# EAGLE board RedBoard-Panel (EAGLE 9.6.2), part 5 of 6
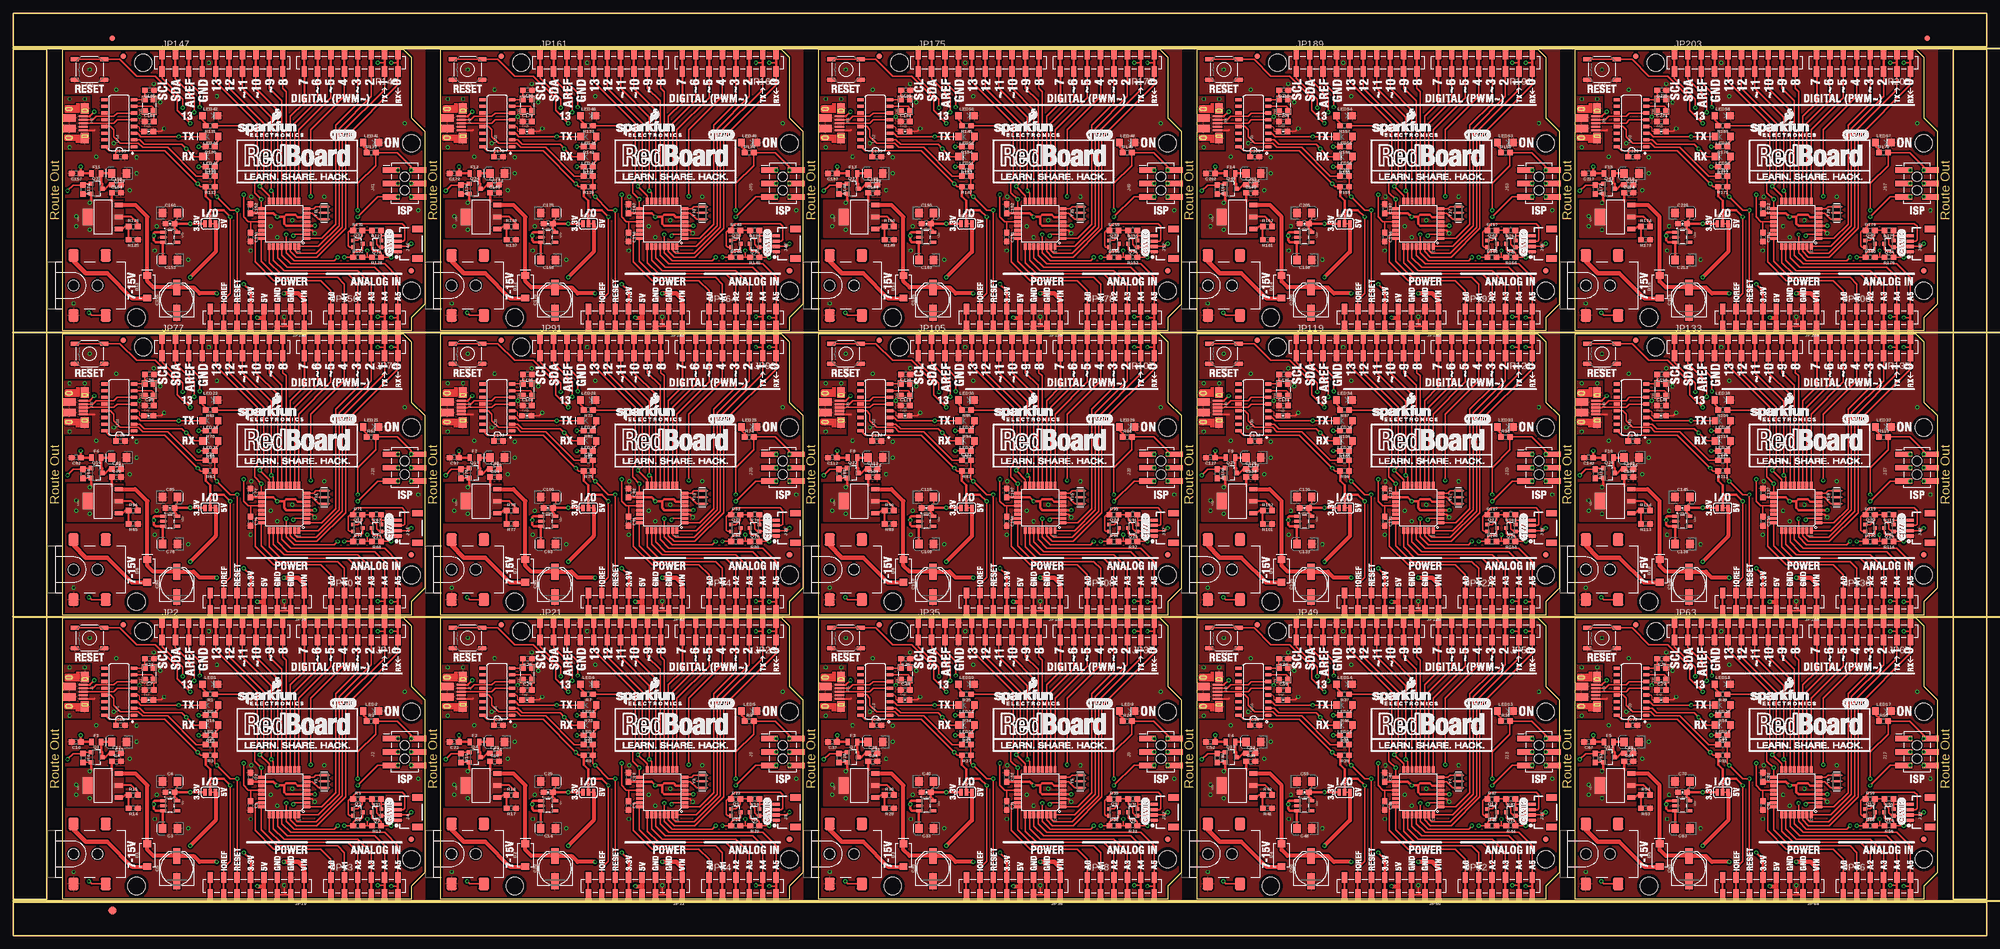
[diagram p0: board, top side]
## Tracks (layer width: path | path; a pad name or v marks a point on that pad's centre or on a via) (continued)
N$157
  Top 0.406: U45.1 92.34,133.87 92.84,134.37 R138.1 R137.2
N$158
  Top 0.305: U46.7 128.3,136.87 129.47,135.71 Y23.1
N$159
  Top 0.305: U46.8 128.53,137.67 128.96,138.11 Y23.3
N$160
  Top 0.305: R142.1 109.82,149.95 110.47,150.6 LED48.A
N$161
  Top 0.305: R141.1 109.82,146.14 110.47,146.79 LED47.A
N$162
  Top 0.254: J47.D- 86.72,154.54 87.38,155.19 90.68,155.19 91.31,155.83 U48.6
N$163
  Top 0.254: J47.D+ 86.08,153.89 86.11,153.92 90.68,153.92 91.31,154.56 U48.5
N$164
  Top 0.203: U48.4 95.3,153.29 95.53,153.06 95.53,152.48 95.66,152.35 C177.1
N$165  (via drill 0.38)
  Top 0.305: v134.37,128.52 R144.1 136.06,129.2 136.53,129.67 137.41,129.67 137.83,130.08 Q36.3
  Bottom 0.305: JP166.1 v134.37,128.52
N$166  (via drill 0.38)
  Top 0.305: Q35.3 139.57,131.03 139.57,130.05 139.95,129.67 140.97,129.67 141.35,129.29 141.35,128.56 R140.1 v143.26,128.52
  Bottom 0.305: JP165.1 v143.26,128.52
N$167
  Top 0.254: U48.8 96.43,158.38 Y24.3 96.53,160.1 C180.2
N$168
  Top 0.254: U48.7 97.92,157.1 98.17,156.84 98.17,156.24 Y24.1 98.28,154.31 C179.2
N$169
  Top 0.356: R146.1 210.22,148.93 209.57,149.58 LED49.A
N$170
  Top 0.305: R145.2 179.74,153.88 179.09,154.53 LED50.A
N$171
  Top 0.406: U49.1 163.97,133.87 164.47,134.37 R150.1 R149.2
N$172
  Top 0.305: U50.7 199.93,136.87 201.1,135.71 Y25.1
N$173
  Top 0.305: U50.8 200.16,137.67 200.59,138.11 Y25.3
N$174
  Top 0.305: R154.1 181.44,149.95 182.09,150.6 LED52.A
N$175
  Top 0.305: R153.1 181.44,146.14 182.09,146.79 LED51.A
N$176
  Top 0.254: J51.D- 158.35,154.54 159,155.19 162.31,155.19 162.94,155.83 U52.6
N$177
  Top 0.254: J51.D+ 157.7,153.89 157.73,153.92 162.31,153.92 162.94,154.56 U52.5
N$178
  Top 0.203: U52.4 166.93,153.29 167.16,153.06 167.16,152.48 167.28,152.35 C192.1
N$179  (via drill 0.38)
  Top 0.305: v205.99,128.52 R156.1 207.68,129.2 208.15,129.67 209.04,129.67 209.46,130.08 Q39.3
  Bottom 0.305: JP180.1 v205.99,128.52
N$180  (via drill 0.38)
  Top 0.305: Q38.3 211.2,131.03 211.2,130.05 211.58,129.67 212.6,129.67 212.98,129.29 212.98,128.56 R152.1 v214.88,128.52
  Bottom 0.305: JP179.1 v214.88,128.52
N$181
  Top 0.254: U52.8 168.06,158.38 Y26.3 168.16,160.1 C195.2
N$182
  Top 0.254: U52.7 169.54,157.1 169.8,156.84 169.8,156.24 Y26.1 169.91,154.31 C194.2
N$183
  Top 0.356: R158.1 281.85,148.93 281.2,149.58 LED53.A
N$184
  Top 0.305: R157.2 251.37,153.88 250.72,154.53 LED54.A
N$185
  Top 0.406: U53.1 235.6,133.87 236.09,134.37 R162.1 R161.2
N$186
  Top 0.305: U54.7 271.56,136.87 272.73,135.71 Y27.1
N$187
  Top 0.305: U54.8 271.79,137.67 272.22,138.11 Y27.3
N$188
  Top 0.305: R166.1 253.07,149.95 253.72,150.6 LED56.A
N$189
  Top 0.305: R165.1 253.07,146.14 253.72,146.79 LED55.A
N$190
  Top 0.254: J55.D- 229.98,154.54 230.63,155.19 233.93,155.19 234.57,155.83 U56.6
N$191
  Top 0.254: J55.D+ 229.33,153.89 229.36,153.92 233.93,153.92 234.57,154.56 U56.5
N$192
  Top 0.203: U56.4 238.56,153.29 238.78,153.06 238.78,152.48 238.91,152.35 C207.1
N$193  (via drill 0.38)
  Top 0.305: v277.62,128.52 R168.1 279.31,129.2 279.78,129.67 280.67,129.67 281.09,130.08 Q42.3
  Bottom 0.305: JP194.1 v277.62,128.52
N$194  (via drill 0.38)
  Top 0.305: Q41.3 282.83,131.03 282.83,130.05 283.21,129.67 284.23,129.67 284.61,129.29 284.61,128.56 R164.1 v286.51,128.52
  Bottom 0.305: JP193.1 v286.51,128.52
N$195
  Top 0.254: U56.8 239.69,158.38 Y28.3 239.79,160.1 C210.2
N$196
  Top 0.254: U56.7 241.17,157.1 241.43,156.84 241.43,156.24 Y28.1 241.54,154.31 C209.2
N$197
  Top 0.356: R170.1 353.48,148.93 352.83,149.58 LED57.A
N$198
  Top 0.305: R169.2 323,153.88 322.35,154.53 LED58.A
N$199
  Top 0.406: U57.1 307.23,133.87 307.72,134.37 R174.1 R173.2
N$200
  Top 0.305: U58.7 343.19,136.87 344.35,135.71 Y29.1
N$201
  Top 0.305: U58.8 343.41,137.67 343.85,138.11 Y29.3
N$202
  Top 0.305: R178.1 324.7,149.95 325.35,150.6 LED60.A
N$203
  Top 0.305: R177.1 324.7,146.14 325.35,146.79 LED59.A
N$204
  Top 0.254: J59.D- 301.61,154.54 302.26,155.19 305.56,155.19 306.2,155.83 U60.6
N$205
  Top 0.254: J59.D+ 300.96,153.89 300.99,153.92 305.56,153.92 306.2,154.56 U60.5
N$206
  Top 0.203: U60.4 310.19,153.29 310.41,153.06 310.41,152.48 310.54,152.35 C222.1
N$207  (via drill 0.38)
  Top 0.305: v349.25,128.52 R180.1 350.94,129.2 351.41,129.67 352.3,129.67 352.72,130.08 Q45.3
  Bottom 0.305: JP208.1 v349.25,128.52
N$208  (via drill 0.38)
  Top 0.305: Q44.3 354.46,131.03 354.46,130.05 354.84,129.67 355.85,129.67 356.24,129.29 356.24,128.56 R176.1 v358.14,128.52
  Bottom 0.305: JP207.1 v358.14,128.52
N$209
  Top 0.254: U60.8 311.32,158.38 Y30.3 311.42,160.1 C225.2
N$210
  Top 0.254: U60.7 312.8,157.1 313.06,156.84 313.06,156.24 Y30.1 313.17,154.31 C224.2
PWRIN
  Top 0.762: 17.78,17.78 22.47,13.09 D1.A
  Top 0.813: 17.78,17.78 13.72,17.78 11.43,20.07 J3.VIN0
PWRIN1
  Top 0.762: 89.41,17.78 94.1,13.09 D2.A
  Top 0.813: 89.41,17.78 85.34,17.78 83.06,20.07 J6.VIN0
PWRIN2
  Top 0.762: 161.04,17.78 165.73,13.09 D3.A
  Top 0.813: 161.04,17.78 156.97,17.78 154.69,20.07 J10.VIN0
PWRIN3
  Top 0.762: 232.66,17.78 237.35,13.09 D4.A
  Top 0.813: 232.66,17.78 228.6,17.78 226.31,20.07 J14.VIN0
PWRIN4
  Top 0.762: 304.29,17.78 308.98,13.09 D5.A
  Top 0.813: 304.29,17.78 300.23,17.78 297.94,20.07 J18.VIN0
PWRIN5
  Top 0.762: 17.78,71.63 22.47,66.94 D6.A
  Top 0.813: 17.78,71.63 13.72,71.63 11.43,73.91 J22.VIN0
PWRIN6
  Top 0.762: 89.41,71.63 94.1,66.94 D7.A
  Top 0.813: 89.41,71.63 85.34,71.63 83.06,73.91 J26.VIN0
PWRIN7
  Top 0.762: 161.04,71.63 165.73,66.94 D8.A
  Top 0.813: 161.04,71.63 156.97,71.63 154.69,73.91 J30.VIN0
PWRIN8
  Top 0.762: 232.66,71.63 237.35,66.94 D9.A
  Top 0.813: 232.66,71.63 228.6,71.63 226.31,73.91 J34.VIN0
PWRIN9
  Top 0.762: 304.29,71.63 308.98,66.94 D10.A
  Top 0.813: 304.29,71.63 300.23,71.63 297.94,73.91 J38.VIN0
PWRIN10
  Top 0.762: 17.78,125.48 22.47,120.79 D11.A
  Top 0.813: 17.78,125.48 13.72,125.48 11.43,127.76 J42.VIN0
PWRIN11
  Top 0.762: 89.41,125.48 94.1,120.79 D12.A
  Top 0.813: 89.41,125.48 85.34,125.48 83.06,127.76 J46.VIN0
PWRIN12
  Top 0.762: 161.04,125.48 165.73,120.79 D13.A
  Top 0.813: 161.04,125.48 156.97,125.48 154.69,127.76 J50.VIN0
PWRIN13
  Top 0.762: 232.66,125.48 237.35,120.79 D14.A
  Top 0.813: 232.66,125.48 228.6,125.48 226.31,127.76 J54.VIN0
PWRIN14
  Top 0.762: 304.29,125.48 308.98,120.79 D15.A
  Top 0.813: 304.29,125.48 300.23,125.48 297.94,127.76 J58.VIN0
RESET  (via drill 0.38, 0.38 pad 0.51)
  Top 0.254: C8.2 R3.1 38.19,32.68 v38.61,32.26
  Top 0.305: v51.71,25.13 U4.29 51.71,21.7 53.21,20.19 60.83,20.19 v61.47,20.83 | 42.42,7.75 JP10.6 v42.42,29.72 41.15,29.72 v38.61,32.26 | TP6.P$1 J2.5 69.09,32.26 v65.28,28.45 | S1.4 S1.3 20.19,58.29 23.37,55.12 26.92,55.12 31.11,50.93 31.11,48.64 v33.53,46.23
  Bottom 0.305: v51.71,25.13 51.71,28.05 50.04,29.72 v42.42,29.72 | v38.61,32.26 38.61,41.15 v33.53,46.23 | v61.47,20.83 61.47,24.64 v65.28,28.45
  other vias: 72.9,32.26
RESET1  (via drill 0.38, 0.38 pad 0.51)
  Top 0.254: C21.2 R9.1 109.82,32.68 v110.24,32.26
  Top 0.305: v123.34,25.13 U6.29 123.34,21.7 124.84,20.19 132.46,20.19 v133.1,20.83 | 114.05,7.75 JP22.6 v114.05,29.72 112.78,29.72 v110.24,32.26 | TP12.P$1 J5.5 140.72,32.26 v136.91,28.45 | S2.4 S2.3 91.82,58.29 95,55.12 98.55,55.12 102.74,50.93 102.74,48.64 v105.16,46.23
  Bottom 0.305: v123.34,25.13 123.34,28.05 121.67,29.72 v114.05,29.72 | v110.24,32.26 110.24,41.15 v105.16,46.23 | v133.1,20.83 133.1,24.64 v136.91,28.45
  other vias: 144.53,32.26
RESET2  (via drill 0.38, 0.38 pad 0.51)
  Top 0.254: C36.2 R27.1 181.44,32.68 v181.86,32.26
  Top 0.305: v194.96,25.13 U10.29 194.96,21.7 196.47,20.19 204.09,20.19 v204.72,20.83 | 185.67,7.75 JP36.6 v185.67,29.72 184.4,29.72 v181.86,32.26 | TP18.P$1 J9.5 212.34,32.26 v208.53,28.45 | S3.4 S3.3 163.45,58.29 166.62,55.12 170.18,55.12 174.37,50.93 174.37,48.64 v176.78,46.23
  Bottom 0.305: v194.96,25.13 194.96,28.05 193.29,29.72 v185.67,29.72 | v181.86,32.26 181.86,41.15 v176.78,46.23 | v204.72,20.83 204.72,24.64 v208.53,28.45
  other vias: 216.15,32.26
RESET3  (via drill 0.38, 0.38 pad 0.51)
  Top 0.254: C51.2 R39.1 253.07,32.68 v253.49,32.26
  Top 0.305: v266.59,25.13 U14.29 266.59,21.7 268.1,20.19 275.72,20.19 v276.35,20.83 | 257.3,7.75 JP50.6 v257.3,29.72 256.03,29.72 v253.49,32.26 | TP24.P$1 J13.5 283.97,32.26 v280.16,28.45 | S4.4 S4.3 235.08,58.29 238.25,55.12 241.81,55.12 246,50.93 246,48.64 v248.41,46.23
  Bottom 0.305: v266.59,25.13 266.59,28.05 264.92,29.72 v257.3,29.72 | v253.49,32.26 253.49,41.15 v248.41,46.23 | v276.35,20.83 276.35,24.64 v280.16,28.45
  other vias: 287.78,32.26
RESET4  (via drill 0.38, 0.38 pad 0.51)
  Top 0.254: C66.2 R51.1 324.7,32.68 v325.12,32.26
  Top 0.305: v338.22,25.13 U18.29 338.22,21.7 339.73,20.19 347.35,20.19 v347.98,20.83 | 328.93,7.75 JP64.6 v328.93,29.72 327.66,29.72 v325.12,32.26 | TP30.P$1 J17.5 355.6,32.26 v351.79,28.45 | S5.4 S5.3 306.71,58.29 309.88,55.12 313.44,55.12 317.63,50.93 317.63,48.64 v320.04,46.23
  Bottom 0.305: v338.22,25.13 338.22,28.05 336.55,29.72 v328.93,29.72 | v325.12,32.26 325.12,41.15 v320.04,46.23 | v347.98,20.83 347.98,24.64 v351.79,28.45
  other vias: 359.41,32.26
RESET5  (via drill 0.38, 0.38 pad 0.51)
  Top 0.254: C81.2 R63.1 38.19,86.53 v38.61,86.11
  Top 0.305: v51.71,78.98 U22.29 51.71,75.55 53.21,74.04 60.83,74.04 v61.47,74.68 | 42.42,61.6 JP78.6 v42.42,83.57 41.15,83.57 v38.61,86.11 | TP36.P$1 J21.5 69.09,86.11 v65.28,82.3 | S6.4 S6.3 20.19,112.14 23.37,108.97 26.92,108.97 31.11,104.78 31.11,102.49 v33.53,100.08
  Bottom 0.305: v51.71,78.98 51.71,81.9 50.04,83.57 v42.42,83.57 | v38.61,86.11 38.61,95 v33.53,100.08 | v61.47,74.68 61.47,78.49 v65.28,82.3
  other vias: 72.9,86.11
RESET6  (via drill 0.38, 0.38 pad 0.51)
  Top 0.254: C96.2 R75.1 109.82,86.53 v110.24,86.11
  Top 0.305: v123.34,78.98 U26.29 123.34,75.55 124.84,74.04 132.46,74.04 v133.1,74.68 | 114.05,61.6 JP92.6 v114.05,83.57 112.78,83.57 v110.24,86.11 | TP42.P$1 J25.5 140.72,86.11 v136.91,82.3 | S7.4 S7.3 91.82,112.14 95,108.97 98.55,108.97 102.74,104.78 102.74,102.49 v105.16,100.08
  Bottom 0.305: v123.34,78.98 123.34,81.9 121.67,83.57 v114.05,83.57 | v110.24,86.11 110.24,95 v105.16,100.08 | v133.1,74.68 133.1,78.49 v136.91,82.3
  other vias: 144.53,86.11
RESET7  (via drill 0.38, 0.38 pad 0.51)
  Top 0.254: C111.2 R87.1 181.44,86.53 v181.86,86.11
  Top 0.305: v194.96,78.98 U30.29 194.96,75.55 196.47,74.04 204.09,74.04 v204.72,74.68 | 185.67,61.6 JP106.6 v185.67,83.57 184.4,83.57 v181.86,86.11 | TP48.P$1 J29.5 212.34,86.11 v208.53,82.3 | S8.4 S8.3 163.45,112.14 166.62,108.97 170.18,108.97 174.37,104.78 174.37,102.49 v176.78,100.08
  Bottom 0.305: v194.96,78.98 194.96,81.9 193.29,83.57 v185.67,83.57 | v181.86,86.11 181.86,95 v176.78,100.08 | v204.72,74.68 204.72,78.49 v208.53,82.3
  other vias: 216.15,86.11
RESET8  (via drill 0.38, 0.38 pad 0.51)
  Top 0.254: C126.2 R99.1 253.07,86.53 v253.49,86.11
  Top 0.305: v266.59,78.98 U34.29 266.59,75.55 268.1,74.04 275.72,74.04 v276.35,74.68 | 257.3,61.6 JP120.6 v257.3,83.57 256.03,83.57 v253.49,86.11 | TP54.P$1 J33.5 283.97,86.11 v280.16,82.3 | S9.4 S9.3 235.08,112.14 238.25,108.97 241.81,108.97 246,104.78 246,102.49 v248.41,100.08
  Bottom 0.305: v266.59,78.98 266.59,81.9 264.92,83.57 v257.3,83.57 | v253.49,86.11 253.49,95 v248.41,100.08 | v276.35,74.68 276.35,78.49 v280.16,82.3
  other vias: 287.78,86.11
RESET9  (via drill 0.38, 0.38 pad 0.51)
  Top 0.254: C141.2 R111.1 324.7,86.53 v325.12,86.11
  Top 0.305: v338.22,78.98 U38.29 338.22,75.55 339.73,74.04 347.35,74.04 v347.98,74.68 | 328.93,61.6 JP134.6 v328.93,83.57 327.66,83.57 v325.12,86.11 | TP60.P$1 J37.5 355.6,86.11 v351.79,82.3 | S10.4 S10.3 306.71,112.14 309.88,108.97 313.44,108.97 317.63,104.78 317.63,102.49 v320.04,100.08
  Bottom 0.305: v338.22,78.98 338.22,81.9 336.55,83.57 v328.93,83.57 | v325.12,86.11 325.12,95 v320.04,100.08 | v347.98,74.68 347.98,78.49 v351.79,82.3
  other vias: 359.41,86.11
RESET10  (via drill 0.38, 0.38 pad 0.51)
  Top 0.254: C156.2 R123.1 38.19,140.37 v38.61,139.95
  Top 0.305: v51.71,132.82 U42.29 51.71,129.39 53.21,127.89 60.83,127.89 v61.47,128.52 | 42.42,115.44 JP148.6 v42.42,137.41 41.15,137.41 v38.61,139.95 | TP66.P$1 J41.5 69.09,139.95 v65.28,136.14 | S11.4 S11.3 20.19,165.99 23.37,162.81 26.92,162.81 31.11,158.62 31.11,156.34 v33.53,153.92
  Bottom 0.305: v51.71,132.82 51.71,135.74 50.04,137.41 v42.42,137.41 | v38.61,139.95 38.61,148.84 v33.53,153.92 | v61.47,128.52 61.47,132.33 v65.28,136.14
  other vias: 72.9,139.95
RESET11  (via drill 0.38, 0.38 pad 0.51)
  Top 0.254: C171.2 R135.1 109.82,140.37 v110.24,139.95
  Top 0.305: v123.34,132.82 U46.29 123.34,129.39 124.84,127.89 132.46,127.89 v133.1,128.52 | 114.05,115.44 JP162.6 v114.05,137.41 112.78,137.41 v110.24,139.95 | TP72.P$1 J45.5 140.72,139.95 v136.91,136.14 | S12.4 S12.3 91.82,165.99 95,162.81 98.55,162.81 102.74,158.62 102.74,156.34 v105.16,153.92
  Bottom 0.305: v123.34,132.82 123.34,135.74 121.67,137.41 v114.05,137.41 | v110.24,139.95 110.24,148.84 v105.16,153.92 | v133.1,128.52 133.1,132.33 v136.91,136.14
  other vias: 144.53,139.95
RESET12  (via drill 0.38, 0.38 pad 0.51)
  Top 0.254: C186.2 R147.1 181.44,140.37 v181.86,139.95
  Top 0.305: v194.96,132.82 U50.29 194.96,129.39 196.47,127.89 204.09,127.89 v204.72,128.52 | 185.67,115.44 JP176.6 v185.67,137.41 184.4,137.41 v181.86,139.95 | TP78.P$1 J49.5 212.34,139.95 v208.53,136.14 | S13.4 S13.3 163.45,165.99 166.62,162.81 170.18,162.81 174.37,158.62 174.37,156.34 v176.78,153.92
  Bottom 0.305: v194.96,132.82 194.96,135.74 193.29,137.41 v185.67,137.41 | v181.86,139.95 181.86,148.84 v176.78,153.92 | v204.72,128.52 204.72,132.33 v208.53,136.14
  other vias: 216.15,139.95
RESET13  (via drill 0.38, 0.38 pad 0.51)
  Top 0.254: C201.2 R159.1 253.07,140.37 v253.49,139.95
  Top 0.305: v266.59,132.82 U54.29 266.59,129.39 268.1,127.89 275.72,127.89 v276.35,128.52 | 257.3,115.44 JP190.6 v257.3,137.41 256.03,137.41 v253.49,139.95 | TP84.P$1 J53.5 283.97,139.95 v280.16,136.14 | S14.4 S14.3 235.08,165.99 238.25,162.81 241.81,162.81 246,158.62 246,156.34 v248.41,153.92
  Bottom 0.305: v266.59,132.82 266.59,135.74 264.92,137.41 v257.3,137.41 | v253.49,139.95 253.49,148.84 v248.41,153.92 | v276.35,128.52 276.35,132.33 v280.16,136.14
  other vias: 287.78,139.95
RESET14  (via drill 0.38, 0.38 pad 0.51)
  Top 0.254: C216.2 R171.1 324.7,140.37 v325.12,139.95
  Top 0.305: v338.22,132.82 U58.29 338.22,129.39 339.73,127.89 347.35,127.89 v347.98,128.52 | 328.93,115.44 JP204.6 v328.93,137.41 327.66,137.41 v325.12,139.95 | TP90.P$1 J57.5 355.6,139.95 v351.79,136.14 | S15.4 S15.3 306.71,165.99 309.88,162.81 313.44,162.81 317.63,158.62 317.63,156.34 v320.04,153.92
  Bottom 0.305: v338.22,132.82 338.22,135.74 336.55,137.41 v328.93,137.41 | v325.12,139.95 325.12,148.84 v320.04,153.92 | v347.98,128.52 347.98,132.33 v351.79,136.14
  other vias: 359.41,139.95
RX-I  (via drill 0.38)
  Top 0.254: JP11.1B 72.9,56.39
  Top 0.305: U4.30 52.51,21.91 53.59,20.83 57.53,20.83 62.99,26.29 62.99,43.56 72.9,53.47 JP11.1A 72.9,56.39 72.9,57.66 v71.63,57.66 | LED3.C 34.29,39.88 v32.77,41.4 31.98,42.19 24.84,42.19 23.98,43.05 U1.2
  Bottom 0.305: v71.63,57.66 69.09,55.12 33.53,55.12 30.99,52.58 30.99,46.86 32.77,45.08 v32.77,41.4
RX-I1  (via drill 0.38)
  Top 0.254: JP23.1B 144.53,56.39
  Top 0.305: U6.30 124.14,21.91 125.22,20.83 129.16,20.83 134.62,26.29 134.62,43.56 144.53,53.47 JP23.1A 144.53,56.39 144.53,57.66 v143.26,57.66 | LED7.C 105.92,39.88 v104.39,41.4 103.61,42.19 96.47,42.19 95.61,43.05 U8.2
  Bottom 0.305: v143.26,57.66 140.72,55.12 105.16,55.12 102.62,52.58 102.62,46.86 104.39,45.08 v104.39,41.4
RX-I2  (via drill 0.38)
  Top 0.254: JP37.1B 216.15,56.39
  Top 0.305: U10.30 195.76,21.91 196.85,20.83 200.79,20.83 206.25,26.29 206.25,43.56 216.15,53.47 JP37.1A 216.15,56.39 216.15,57.66 v214.88,57.66 | LED11.C 177.55,39.88 v176.02,41.4 175.23,42.19 168.1,42.19 167.23,43.05 U12.2
  Bottom 0.305: v214.88,57.66 212.34,55.12 176.78,55.12 174.24,52.58 174.24,46.86 176.02,45.08 v176.02,41.4
RX-I3  (via drill 0.38)
  Top 0.254: JP51.1B 287.78,56.39
  Top 0.305: U14.30 267.39,21.91 268.48,20.83 272.42,20.83 277.88,26.29 277.88,43.56 287.78,53.47 JP51.1A 287.78,56.39 287.78,57.66 v286.51,57.66 | LED15.C 249.17,39.88 v247.65,41.4 246.86,42.19 239.72,42.19 238.86,43.05 U16.2
  Bottom 0.305: v286.51,57.66 283.97,55.12 248.41,55.12 245.87,52.58 245.87,46.86 247.65,45.08 v247.65,41.4
RX-I4  (via drill 0.38)
  Top 0.254: JP65.1B 359.41,56.39
  Top 0.305: U18.30 339.02,21.91 340.11,20.83 344.04,20.83 349.5,26.29 349.5,43.56 359.41,53.47 JP65.1A 359.41,56.39 359.41,57.66 v358.14,57.66 | LED19.C 320.8,39.88 v319.28,41.4 318.49,42.19 311.35,42.19 310.49,43.05 U20.2
  Bottom 0.305: v358.14,57.66 355.6,55.12 320.04,55.12 317.5,52.58 317.5,46.86 319.28,45.08 v319.28,41.4
RX-I5  (via drill 0.38)
  Top 0.254: JP79.1B 72.9,110.24
  Top 0.305: U22.30 52.51,75.76 53.59,74.68 57.53,74.68 62.99,80.14 62.99,97.41 72.9,107.31 JP79.1A 72.9,110.24 72.9,111.51 v71.63,111.51 | LED23.C 34.29,93.73 v32.77,95.25 31.98,96.04 24.84,96.04 23.98,96.9 U24.2
  Bottom 0.305: v71.63,111.51 69.09,108.97 33.53,108.97 30.99,106.43 30.99,100.71 32.77,98.93 v32.77,95.25
RX-I6  (via drill 0.38)
  Top 0.254: JP93.1B 144.53,110.24
  Top 0.305: U26.30 124.14,75.76 125.22,74.68 129.16,74.68 134.62,80.14 134.62,97.41 144.53,107.31 JP93.1A 144.53,110.24 144.53,111.51 v143.26,111.51 | LED27.C 105.92,93.73 v104.39,95.25 103.61,96.04 96.47,96.04 95.61,96.9 U28.2
  Bottom 0.305: v143.26,111.51 140.72,108.97 105.16,108.97 102.62,106.43 102.62,100.71 104.39,98.93 v104.39,95.25
RX-I7  (via drill 0.38)
  Top 0.254: JP107.1B 216.15,110.24
  Top 0.305: U30.30 195.76,75.76 196.85,74.68 200.79,74.68 206.25,80.14 206.25,97.41 216.15,107.31 JP107.1A 216.15,110.24 216.15,111.51 v214.88,111.51 | LED31.C 177.55,93.73 v176.02,95.25 175.23,96.04 168.1,96.04 167.23,96.9 U32.2
  Bottom 0.305: v214.88,111.51 212.34,108.97 176.78,108.97 174.24,106.43 174.24,100.71 176.02,98.93 v176.02,95.25
RX-I8  (via drill 0.38)
  Top 0.254: JP121.1B 287.78,110.24
  Top 0.305: U34.30 267.39,75.76 268.48,74.68 272.42,74.68 277.88,80.14 277.88,97.41 287.78,107.31 JP121.1A 287.78,110.24 287.78,111.51 v286.51,111.51 | LED35.C 249.17,93.73 v247.65,95.25 246.86,96.04 239.72,96.04 238.86,96.9 U36.2
  Bottom 0.305: v286.51,111.51 283.97,108.97 248.41,108.97 245.87,106.43 245.87,100.71 247.65,98.93 v247.65,95.25
RX-I9  (via drill 0.38)
  Top 0.254: JP135.1B 359.41,110.24
  Top 0.305: U38.30 339.02,75.76 340.11,74.68 344.04,74.68 349.5,80.14 349.5,97.41 359.41,107.31 JP135.1A 359.41,110.24 359.41,111.51 v358.14,111.51 | LED39.C 320.8,93.73 v319.28,95.25 318.49,96.04 311.35,96.04 310.49,96.9 U40.2
  Bottom 0.305: v358.14,111.51 355.6,108.97 320.04,108.97 317.5,106.43 317.5,100.71 319.28,98.93 v319.28,95.25
RX-I10  (via drill 0.38)
  Top 0.254: JP149.1B 72.9,164.08
  Top 0.305: U42.30 52.51,129.61 53.59,128.52 57.53,128.52 62.99,133.98 62.99,151.26 72.9,161.16 JP149.1A 72.9,164.08 72.9,165.35 v71.63,165.35 | LED43.C 34.29,147.57 v32.77,149.1 31.98,149.88 24.84,149.88 23.98,150.75 U44.2
  Bottom 0.305: v71.63,165.35 69.09,162.81 33.53,162.81 30.99,160.27 30.99,154.56 32.77,152.78 v32.77,149.1
RX-I11  (via drill 0.38)
  Top 0.254: JP163.1B 144.53,164.08
  Top 0.305: U46.30 124.14,129.61 125.22,128.52 129.16,128.52 134.62,133.98 134.62,151.26 144.53,161.16 JP163.1A 144.53,164.08 144.53,165.35 v143.26,165.35 | LED47.C 105.92,147.57 v104.39,149.1 103.61,149.88 96.47,149.88 95.61,150.75 U48.2
  Bottom 0.305: v143.26,165.35 140.72,162.81 105.16,162.81 102.62,160.27 102.62,154.56 104.39,152.78 v104.39,149.1
RX-I12  (via drill 0.38)
  Top 0.254: JP177.1B 216.15,164.08
  Top 0.305: U50.30 195.76,129.61 196.85,128.52 200.79,128.52 206.25,133.98 206.25,151.26 216.15,161.16 JP177.1A 216.15,164.08 216.15,165.35 v214.88,165.35 | LED51.C 177.55,147.57 v176.02,149.1 175.23,149.88 168.1,149.88 167.23,150.75 U52.2
  Bottom 0.305: v214.88,165.35 212.34,162.81 176.78,162.81 174.24,160.27 174.24,154.56 176.02,152.78 v176.02,149.1
RX-I13  (via drill 0.38)
  Top 0.254: JP191.1B 287.78,164.08
  Top 0.305: U54.30 267.39,129.61 268.48,128.52 272.42,128.52 277.88,133.98 277.88,151.26 287.78,161.16 JP191.1A 287.78,164.08 287.78,165.35 v286.51,165.35 | LED55.C 249.17,147.57 v247.65,149.1 246.86,149.88 239.72,149.88 238.86,150.75 U56.2
  Bottom 0.305: v286.51,165.35 283.97,162.81 248.41,162.81 245.87,160.27 245.87,154.56 247.65,152.78 v247.65,149.1
RX-I14  (via drill 0.38)
  Top 0.254: JP205.1B 359.41,164.08
  Top 0.305: U58.30 339.02,129.61 340.11,128.52 344.04,128.52 349.5,133.98 349.5,151.26 359.41,161.16 JP205.1A 359.41,164.08 359.41,165.35 v358.14,165.35 | LED59.C 320.8,147.57 v319.28,149.1 318.49,149.88 311.35,149.88 310.49,150.75 U60.2
  Bottom 0.305: v358.14,165.35 355.6,162.81 320.04,162.81 317.5,160.27 317.5,154.56 319.28,152.78 v319.28,149.1
SCK  (via drill 0.38, 0.38 pad 0.51)
  Top 0.254: JP2.5B JP2.5A
  Top 0.305: U4.17 v47.02,31.78 45.72,33.07 45.72,34.8 46.23,35.31 46.23,45.72 | J2.3 TP5.P$1 | JP2.5B 38.35,54.1 46.23,46.23 46.23,45.72 | R1.1 46.23,45.72
  Bottom 0.305: v47.02,31.78 47.02,32.92 48.89,34.8 TP5.P$1
  other vias: 72.9,34.8
SCK1  (via drill 0.38, 0.38 pad 0.51)
  Top 0.254: JP21.5B JP21.5A
  Top 0.305: U6.17 v118.64,31.78 117.35,33.07 117.35,34.8 117.86,35.31 117.86,45.72 | J5.3 TP11.P$1 | JP21.5B 109.98,54.1 117.86,46.23 117.86,45.72 | R7.1 117.86,45.72
  Bottom 0.305: v118.64,31.78 118.64,32.92 120.52,34.8 TP11.P$1
  other vias: 144.53,34.8
SCK2  (via drill 0.38, 0.38 pad 0.51)
  Top 0.254: JP35.5B JP35.5A
  Top 0.305: U10.17 v190.27,31.78 188.98,33.07 188.98,34.8 189.48,35.31 189.48,45.72 | J9.3 TP17.P$1 | JP35.5B 181.61,54.1 189.48,46.23 189.48,45.72 | R25.1 189.48,45.72
  Bottom 0.305: v190.27,31.78 190.27,32.92 192.15,34.8 TP17.P$1
  other vias: 216.15,34.8
SCK3  (via drill 0.38, 0.38 pad 0.51)
  Top 0.254: JP49.5B JP49.5A
  Top 0.305: U14.17 v261.9,31.78 260.6,33.07 260.6,34.8 261.11,35.31 261.11,45.72 | J13.3 TP23.P$1 | JP49.5B 253.24,54.1 261.11,46.23 261.11,45.72 | R37.1 261.11,45.72
  Bottom 0.305: v261.9,31.78 261.9,32.92 263.78,34.8 TP23.P$1
  other vias: 287.78,34.8
SCK4  (via drill 0.38, 0.38 pad 0.51)
  Top 0.254: JP63.5B JP63.5A
  Top 0.305: U18.17 v333.53,31.78 332.23,33.07 332.23,34.8 332.74,35.31 332.74,45.72 | J17.3 TP29.P$1 | JP63.5B 324.87,54.1 332.74,46.23 332.74,45.72 | R49.1 332.74,45.72
  Bottom 0.305: v333.53,31.78 333.53,32.92 335.41,34.8 TP29.P$1
  other vias: 359.41,34.8
SCK5  (via drill 0.38, 0.38 pad 0.51)
  Top 0.254: JP77.5B JP77.5A
  Top 0.305: U22.17 v47.02,85.62 45.72,86.92 45.72,88.65 46.23,89.15 46.23,99.57 | J21.3 TP35.P$1 | JP77.5B 38.35,107.95 46.23,100.08 46.23,99.57 | R61.1 46.23,99.57
  Bottom 0.305: v47.02,85.62 47.02,86.77 48.89,88.65 TP35.P$1
  other vias: 72.9,88.65
SCK6  (via drill 0.38, 0.38 pad 0.51)
  Top 0.254: JP91.5B JP91.5A
  Top 0.305: U26.17 v118.64,85.62 117.35,86.92 117.35,88.65 117.86,89.15 117.86,99.57 | J25.3 TP41.P$1 | JP91.5B 109.98,107.95 117.86,100.08 117.86,99.57 | R73.1 117.86,99.57
  Bottom 0.305: v118.64,85.62 118.64,86.77 120.52,88.65 TP41.P$1
  other vias: 144.53,88.65
SCK7  (via drill 0.38, 0.38 pad 0.51)
  Top 0.254: JP105.5B JP105.5A
  Top 0.305: U30.17 v190.27,85.62 188.98,86.92 188.98,88.65 189.48,89.15 189.48,99.57 | J29.3 TP47.P$1 | JP105.5B 181.61,107.95 189.48,100.08 189.48,99.57 | R85.1 189.48,99.57
  Bottom 0.305: v190.27,85.62 190.27,86.77 192.15,88.65 TP47.P$1
  other vias: 216.15,88.65
SCK8  (via drill 0.38, 0.38 pad 0.51)
  Top 0.254: JP119.5B JP119.5A
  Top 0.305: U34.17 v261.9,85.62 260.6,86.92 260.6,88.65 261.11,89.15 261.11,99.57 | J33.3 TP53.P$1 | JP119.5B 253.24,107.95 261.11,100.08 261.11,99.57 | R97.1 261.11,99.57
  Bottom 0.305: v261.9,85.62 261.9,86.77 263.78,88.65 TP53.P$1
  other vias: 287.78,88.65
SCK9  (via drill 0.38, 0.38 pad 0.51)
  Top 0.254: JP133.5B JP133.5A
  Top 0.305: U38.17 v333.53,85.62 332.23,86.92 332.23,88.65 332.74,89.15 332.74,99.57 | J37.3 TP59.P$1 | JP133.5B 324.87,107.95 332.74,100.08 332.74,99.57 | R109.1 332.74,99.57
  Bottom 0.305: v333.53,85.62 333.53,86.77 335.41,88.65 TP59.P$1
  other vias: 359.41,88.65
SCK10  (via drill 0.38, 0.38 pad 0.51)
  Top 0.254: JP147.5B JP147.5A
  Top 0.305: U42.17 v47.02,139.47 45.72,140.77 45.72,142.49 46.23,143 46.23,153.42 | J41.3 TP65.P$1 | JP147.5B 38.35,161.8 46.23,153.92 46.23,153.42 | R121.1 46.23,153.42
  Bottom 0.305: v47.02,139.47 47.02,140.61 48.89,142.49 TP65.P$1
  other vias: 72.9,142.49
SCK11  (via drill 0.38, 0.38 pad 0.51)
  Top 0.254: JP161.5B JP161.5A
  Top 0.305: U46.17 v118.64,139.47 117.35,140.77 117.35,142.49 117.86,143 117.86,153.42 | J45.3 TP71.P$1 | JP161.5B 109.98,161.8 117.86,153.92 117.86,153.42 | R133.1 117.86,153.42
  Bottom 0.305: v118.64,139.47 118.64,140.61 120.52,142.49 TP71.P$1
  other vias: 144.53,142.49